# KiCad board Lime_RFE.kicad_pcb (continued)
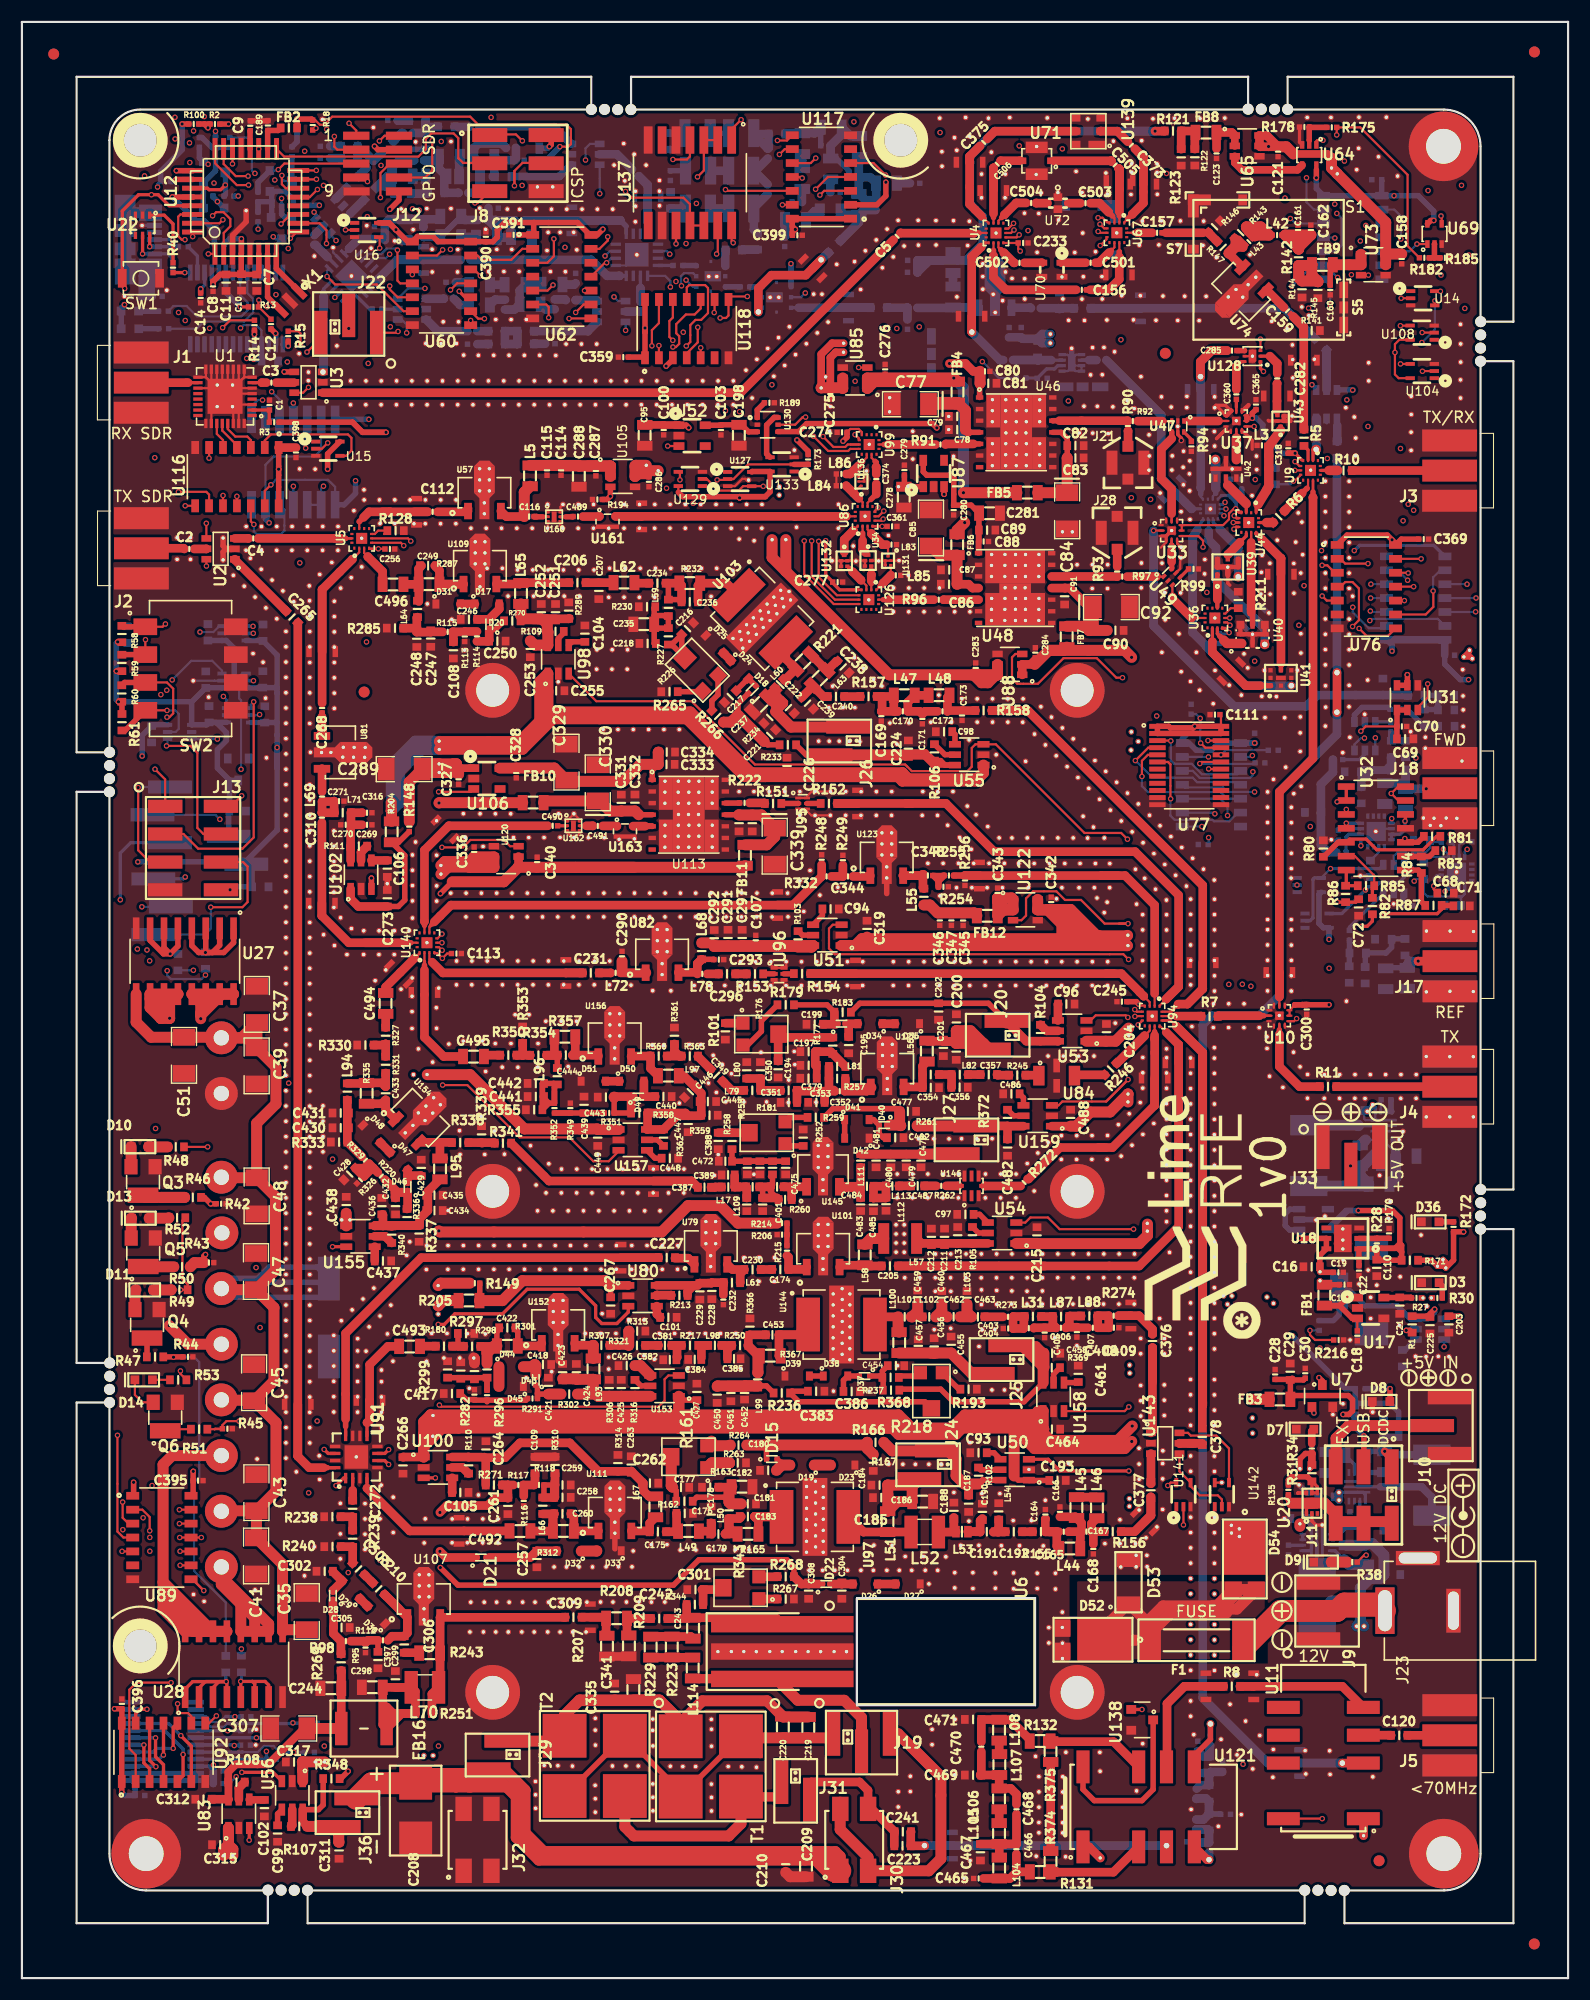
[diagram p0: board, top side]
## Routing (per net, layer and track width the routed paths; a pad name or vN(x,y) marks a point on that pad's centre or on a via; arc(x,y) is an arc through that point) (continued)
Net-(C302-Pad1): length 2.5
  T w0.79: C302.1 28.38,37.09 D29.2 28.4,35.38 D28.2
Net-(C303-Pad1): length 1.1
  T w0.79: R210.2 31.27,36.81 C303.1
Net-(C303-Pad2): length 2.6
  T w0.79: C303.2 30.18,37.87 R239.2 30.16,39.37 R240.2
Net-(C304-Pad1): length 2
  T w0.79: D22.2 73.88,35.96 74.82,35.96 D26.2
Net-(C305-Pad1): length 5.2
  T w0.79: R269.2 29.11,29.59 R98.2 28.42,31.44 C305.1 28.44,32.02 28.44,33.24 28.38,33.3 D28.1
Net-(C306-Pad1): length 1.4
  T w0.79: R243.1 36.22,29.69 C306.1
Net-(C306-Pad2): length 8.3
  T w0.79: 34.42,33.68 33.11,34.99 R210.1 33.1,34.99 U107.1 35.17,31.49 C306.2 33.77,31.19 R112.1
Net-(C308-Pad1): length 65.6
  T w0.5: v1(38.18,37.46) 39.78,35.86 59.46,35.86 61.78,38.18 69.81,38.18 70.45,37.53 R268.2 ; v1(29.77,18.87) 29.1,18.2 R348.1
  T w0.79: R268.2 71.13,35.96 71.79,35.96 71.8,35.97 D22.1
  SIG1 w0.5: v1(29.78,37) 29.77,36.99 v1(29.77,18.87)
  SIG2 w0.5: v1(29.78,37) 30.24,37.46 v1(38.18,37.46)
Net-(C309-Pad2): length 20.5
  T w0.79: C309.2 49.57,32.92 U107.3 38.16,32.91 R243.2 38.16,26.67 L70.2 37.41,25.92 R251.1
Net-(C311-Pad1): length 9.5
  T w0.5: R348.2 27.49,15.8 27.06,15.37 U56.6
  T w0.79: 26.05,13.83 R107.1 25.62,14.28 U56.6
  T w1: J36.2 28.91,12.42 C311.1 ; R107.1 27.89,13.84
Net-(C313-Pad2): length 2.4
  B w0.3: 120.04,142.33 120.04,141.33 120.03,141.31
  B w0.79: 120.04,141.64 120.04,140.25
  B w0.86: 120.04,140.25 120.04,140.25
Net-(C314-Pad1): length 1
  B w0.79: C314.1 29.12,167.17 L28.2
Net-(C320-Pad1): length 5
  B w0.79: 42.97,164.41 43.1,164.54 L73.2 43.42,165.89 C320.1 45.08,166.02 C321.2
Net-(C321-Pad1): length 8.7
  B w0.79: C321.1 43.78,167.42 41.67,167.42 41.2,166.95 L73.1 41.81,165.6 L74.2 41.81,162.92 C322.1 C323.2
Net-(C323-Pad1): length 6.4
  B w0.79: C323.1 39.84,162.92 C324.1 38.55,164.23 L76.2 38.05,165.12 38.05,166.2 37.72,165.87 C325.2
Net-(C325-Pad1): length 8.3
  B w0.79: L77.1 33.76,165.22 34.4,165.87 C325.1 ; L77.1 33.76,163.07 C326.1 33.31,163.51 32.45,163.51 33.37,164.43 L77.1
Net-(C330-Pad1): length 15.9
  T w0.5: C330.1 52.39,107.26 FB10.1 ; C332.1 56.28,106.16 U113.4
  T w1: 52.65,107.5 53.66,106.49 C331.1 54.72,106.51 C332.1 56.28,106.16 ; FB10.1 47.76,107.42 C330.1
Net-(C337-Pad1): length 8.8
  T w0.5: C337.1 65.42,106.16 U113.11
  T w1: 65.42,106.16 C337.1 C338.1 67.5,106.14 C339.1 68.7,104.14 67.97,103.41 66.01,103.41
Net-(C343-Pad1): length 7.7
  T w1: 89.05,98.57 89.05,98.26 89.82,97.48 U122.2 ; 89.05,98.57 90.31,98.57 U122.1 U122.2 ; 89.05,98.57 C343.1 89.05,98.57 FB12.2 89.58,97.48 U122.2
Net-(C344-Pad1): length 1.6
  T w0.79: U123.1 77.36,100.54 C344.1
Net-(C344-Pad2): length 2.1
  T w0.79: R249.1 74.92,100.55 C344.2 R332.1
Net-(C345-Pad1): length 7.5
  T w0.2: FB12.1 87.14,96.96 C345.1 ; C346.2 C347.2
  T w1: FB12.1 86.89,97.21 83.57,97.21 82.86,97.92 L55.1
Net-(C348-Pad1): length 3.5
  T w0.5: R254.1 83.64,100.1 C348.1 R255.2
  T w0.6: R255.2 83.64,100.11 R254.1
Net-(C348-Pad2): length 4.9
  T w0.79: 82.21,100.6 C348.2 ; 82.21,100.6 81.84,100.6 ; 82.21,100.6 C348.2 ; C348.2 82.22,99.51 L55.2 ; 81.82,100.61 80.4,100.61 82.18,100.61
  T w1: 82.21,100.6 C348.2 82.21,100.6
Net-(C349-Pad1): length 2.3
  T w0.79: C349.1 64.77,81.01 L79.2
Net-(C350-Pad2): length 4.5
  T w0.79: 69.21,81.01 C351.2 ; C351.2 69.25,80.98 ; C351.2 69.22,81.01 L79.1 67.4,82.09 C350.2 ; C350.2 L80.1 ; C350.2 67.4,81.81
Net-(C351-Pad1): length 8.2
  T w0.79: 74.08,81.04 C353.2 73.65,80.94 ; 73.65,80.94 70.8,80.94 C351.1 70.73,81 R181.2 ; 73.65,80.94 73.25,80.54 C352.1 ; 73.65,80.94 R257.2 L81.2
Net-(C353-Pad1): length 7.7
  T w0.79: U124.1 77.07,80.94 C353.1 75.15,81 R257.1 ; 75.18,81.25 77.46,81.25 77.47,81.27 ; 77.48,81.29 77.42,81.23 75.88,81.23
  T w1: 77.46,81.25 77.47,81.27
Net-(C354-Pad1): length 4.3
  T w0.79: U124.3 82.13,81.32 C354.1 82.19,81.27 C355.1 82.19,83.23 L56.2
Net-(C355-Pad2): length 2.3
  T w0.79: C356.1 84.84,81.31 L82.2 84.83,82.45 C355.2
Net-(C357-Pad2): length 1.1
  T w0.79: L82.1 86.34,82.45 C357.2
Net-(C358-Pad2): length 1.2
  B w0.5: U30.1 126.03,98.89 C358.2
Net-(C360-Pad1): length 3
  T w0.3: U128.6 111.28,147.51 110.82,147.06
  T w0.79: C360.1 110.82,147.06
Net-(C366-Pad1): length 1
  B w0.79: C366.1 29.11,166.08 L29.2
Net-(C367-Pad1): length 1.1
  B w0.79: L30.2 30.7,164.43 C367.1
Net-(C367-Pad2): length 3.9
  B w0.79: 30.63,166.6 31.34,166.6 C367.2 32.82,166.56 L27.1 ; 30.63,166.6 30.63,167.17 L28.1 ; 30.63,166.6 L29.1
Net-(C370-Pad1): length 1
  B w0.79: L116.1 42.57,149.11 C370.1
Net-(C371-Pad1): length 1
  B w0.79: L117.1 46.73,149.14 C371.1
Net-(C372-Pad2): length 1
  B w0.79: C372.2 L118.1
Net-(C373-Pad1): length 2.9
  T w0.79: C373.1 99.96,168.54 U139.2 98.46,168.55
Net-(C374-Pad1): length 2.4
  T w0.2: 77.47,134.93 77.17,134.63 U86.9
  T w0.5: 77.47,134.93 77.97,135.42
  T w0.79: C374.1 77.97,135.42
Net-(C374-Pad2): length 3.2
  T w0.2: C374.2 77.94,137.27 77.94,138.33 77.54,138.73 77.54,139
  T w0.5: 77.97,137.87 77.97,138.3 77.85,138.41
  T w0.79: 77.94,137.89 77.97,137.87 C374.2
Net-(C375-Pad2): length 8.4
  T w0.79: C375.2 88.79,168.54 U139.5
Net-(C376-Pad1): length 14.1
  T w0.1: U143.1 103.02,49.77
  T w0.2: 103.02,49.77 U143.1
  T w0.5: 103.02,49.77 U143.1 ; 103.17,57.54 103.17,54.42
  T w0.79: U143.1 103.17,49.9 103.17,57.54 103.18,57.52 103.18,54.41
Net-(C377-Pad2): length 2.8
  T w0.1: U143.3 103.02,47.85
  T w0.79: U143.3 103.03,45.12 103.02,45.11
Net-(C378-Pad1): length 5.9
  T w0.1: 107.48,48.81 107.49,48.82
  T w0.2: 107.48,48.81 U143.5
  T w0.79: 107.72,48.79 105.65,48.79 U143.5 107.02,48.81 106.5,48.81
Net-(C378-Pad2): length 79.8
  T w0.1: 104.1,87.39 104.49,87.39
  T w0.2: 104.1,87.39 104.49,87.39 104.1,87.39 ; 104.1,87.39 104.83,87.39 105.35,86.87 ; C378.2 107.76,50.49 107.72,50.46 C378.2 ; C378.2 107.72,52.56 107.76,52.59 107.76,52.28 107.72,52.24 107.76,52.24
  T w0.79: 107.76,52.38 107.76,52.59 107.76,52.24 107.76,84.46 105.35,86.87 107.72,84.49 107.72,50.52
Net-(C381-Pad1): length 2.5
  T w0.79: 59.32,57.74 59.79,57.74 59.79,56.66 59.8,56.65 ; C381.1 R217.2
Net-(C383-Pad2): length 15.2
  T w0.5: R218.2 82.4,52.59 70.9,52.59 R236.1 70.26,53.55 C383.2
Net-(C384-Pad1): length 1.7
  T w0.79: 62.01,56.61 62.01,57.7 62.05,57.74 62.56,57.74 62.56,57.74
Net-(C385-Pad1): length 2.3
  T w0.79: L98.1 R250.2 64.38,57.33 C385.1
Net-(C386-Pad1): length 2.7
  T w0.5: 75.3,54.88 D38.2 ; D38.2 74.97,54.55 C386.1 ; D38.2 D37.2
Net-(C387-Pad1): length 1
  T w0.79: C387.1 63.27,72.17 63.29,72.19 L17.2
Net-(C388-Pad2): length 3.2
  T w0.5: 66.3,77.24 R253.2
  T w0.79: R253.2 R258.1 C388.2
  T w1: 66.4,76.94 R253.2
Net-(C389-Pad2): length 3.1
  T w0.79: 65.04,73.22 65.04,72.22 L17.1 65.49,72.19 65.51,72.21 C400.2 66.15,72.14 L109.1
Net-(C393-Pad1): length 1.1
  B w0.2: C393.1 124.01,80.12 U90.9
Net-(C397-Pad1): length 3.7
  T w0.5: R112.2 32.49,30.81 C397.1
  T w0.79: R112.2 31.58,30.82 R95.1 31.2,30.75 R98.1
Net-(C400-Pad1): length 6.8
  T w0.5: 68.31,73.16 L110.2 68.5,72.39 C476.2 ; R260.2 68.31,71.77 C476.2 ; C400.1 67.6,71.89 C401.1 ; C476.2 68.31,72.02
  T w0.79: 68.33,72.23 C476.2 68.31,72.21 C400.1 ; R260.2 68.9,71.19 C401.1
Net-(C402-Pad1): length 2.8
  T w0.5: C402.1 78.6,76.69 78.22,77.07 D40.2 77.72,78.34 D41.2
Net-(C403-Pad1): length 4.2
  T w0.79: 91.4,59.28 C404.2 91.43,60.3 L31.2 90.47,60.37 R273.1 90.44,59.29 C403.1 91.4,59.28
Net-(C404-Pad1): length 4.3
  T w0.79: C404.1 92.37,59.35 C405.1 94.36,59.35 C406.2 94.08,59.63 L87.2 94.07,60.37 93.01,60.37 L31.1
Net-(C406-Pad1): length 4.3
  T w0.79: L88.2 95.63,60.42 L87.1 95.58,59.65 C406.1 95.32,59.39 C407.1 96.32,59.35 C408.2
Net-(C408-Pad1): length 4.2
  T w0.79: 98.19,60.45 R274.2 99.18,59.37 C409.1 99.2,59.35 C408.1 98.17,60.4 L88.1 98.19,60.45
Net-(C410-Pad1): length 6.1
  B w0.5: 107.17,12.48 107.21,12.44 107.21,13.68 107.17,13.72 C411.2 107.17,12.48
  B w0.79: 107.21,12.44 107.27,12.38 R275.1 108.34,13.45 L89.2 108.23,13.57 C411.2 107.21,13.53
Net-(C411-Pad1): length 4.9
  B w0.5: C412.1 109.36,14.97 L89.1
  B w0.79: 107.17,16.35 C413.2 108.05,16.39 L90.2 108.32,16.09 L89.1 107.82,14.47 C411.1
Net-(C413-Pad1): length 6.1
  B w0.5: 107.21,18.65 C415.2 ; C414.1 109.38,18.72 L91.2
  B w0.79: L91.2 108.34,18.67 L90.1 107.52,17.6 C413.1 ; L91.2 108.49,18.82 109.54,18.82 ; L91.2 107.27,18.72 C415.2 107.21,18.65
Net-(C415-Pad1): length 3.5
  B w0.5: C415.1 107.31,19.65 C416.1
  B w0.79: R276.2 108.38,21.15 L91.1 107.81,20.22 C416.1
Net-(C417-Pad1): length 6.5
  T w0.5: 42.45,52.59 R296.2 46,52.74 R291.1 ; C417.1 40.55,52.79 R282.2 ; 41.25,52.74 42.3,52.74
Net-(C418-Pad1): length 2.1
  T w1: D43.2 46.9,55.89 C418.1 46.6,55.79 D44.2
Net-(C419-Pad1): length 5.7
  T w0.5: R299.1 L92.1 R296.1 42.45,54.59
Net-(C421-Pad1): length 3.5
  T w0.5: 47.05,53.34 47.05,53.97 D43.1 ; 47.05,53.34 R291.2 ; 47.05,53.34 47.1,53.29 C421.1
  T w1: R302.2 C421.1
Net-(C422-Pad1): length 4.1
  T w0.5: 44.9,59.34 45.25,58.99 R301.1
  T w0.79: U152.1 47.19,57.69 R301.1
Net-(C422-Pad2): length 7.2
  T w0.5: 42.45,57.39 L92.2 ; 43.7,59.34 43.34,58.99 R301.2
  T w0.79: R301.2 43.3,57.64 R298.1
  T w1: R301.2 43.05,57.64 42.45,57.04 42.45,57.39 42.45,56.09
Net-(C423-Pad2): length 11.3
  T w1: 52.6,53.09 R306.2 C425.1 R316.1 U153.6 ; 52.6,53.09 52.15,53.54 L93.1 50.65,54.64 50.6,54.69 49.35,54.69 ; 52.6,53.09 52.4,53.29 R302.1
Net-(C426-Pad1): length 1.8
  T w1: U153.4 56.45,55.89 C426.1
Net-(C428-Pad1): length 4.8
  T w0.79: 32.07,73.92 R220.1 ; 32.07,73.92 31.97,73.92 R326.2 31.19,73.16 C428.1 31.24,73.9 R329.2 32.07,73.92
Net-(C429-Pad1): length 2.4
  T w0.79: D47.2 35.2,73.74 35.2,73.23 ; 35.2,73.23 36.39,73.23 C429.1 ; 35.2,73.23 D46.2
Net-(C430-Pad1): length 5.7
  T w0.79: R329.1 R333.1 L94.1
Net-(C432-Pad1): length 5.8
  T w0.79: R336.2 35.2,70.24 D46.1 ; D46.1 35.17,71.69 34.05,71.69 34.05,71.24 C432.1 ; D46.1 34.27,71.72 R220.2
Net-(C433-Pad1): length 4
  T w0.79: U154.1 33.2,79.31 33.2,80.14 32.84,79.79 R335.1
Net-(C433-Pad2): length 4.9
  T w0.79: L94.2 31.39,81.64 R335.2 32.84,81.69 33.2,81.34 R331.1
Net-(C434-Pad2): length 17.8
  T w0.79: 32.95,68.64 33.7,68.64 ; 32.95,68.64 U155.6 32.25,68.69 R337.2 ; 32.95,68.64 32.95,69.64 32.9,69.69 ; 33.85,68.69 R337.2 ; 33.85,68.69 R337.2 ; 33.85,68.69 R340.1 ; L95.1 37.05,71.79 37.05,70.04 36.3,69.29 36.3,68.69 35.05,68.69
Net-(C437-Pad1): length 1.3
  T w0.79: C437.1 U155.4
Net-(C439-Pad1): length 7.9
  T w0.5: R349.2 C439.1 R351.1 51,78.94 ; R349.2 48.85,78.94 ; R349.2 R352.2
Net-(C440-Pad1): length 2.5
  T w0.79: D50.2 56.76,80.48 D49.2 C440.1
Net-(C441-Pad1): length 12.7
  T w0.5: 48.1,79.84 47.5,80.44 ; 48.1,79.84 R355.1 ; 48.1,79.84 R352.1 ; 47.5,80.44 47.5,81.64 ; 47.5,80.44 R355.1 ; R355.1 47.5,81.64 ; L96.1 48.6,81.29 R352.1 ; 47.5,81.64 48.5,81.64 48.6,81.54 R352.1 ; R352.1 48.6,80.89
Net-(C443-Pad1): length 6.2
  T w0.5: C443.1 R351.2 R358.2
  T w0.79: C443.1 54.1,80.44 D49.1 55.6,80.27 55.6,79.09
Net-(C444-Pad1): length 4.2
  T w0.79: 52.53,84.17 U156.1 ; 52.59,84.22 50.24,84.22 50.5,84.48 R357.1
Net-(C444-Pad2): length 5.4
  T w0.5: 48.6,84.35 48.73,84.21 49.04,84.22 ; C444.2 48.86,84.2 L96.2
  T w0.7: 48.86,84.2 C444.2
  T w0.79: C444.2 48.88,84.21 R354.1 48.4,84.21 48.4,84.24 48.7,84.24 48.73,84.21 48.59,84.35 R357.2
Net-(C445-Pad2): length 15.5
  T w0.79: C447.1 61.95,78.69 R359.2 62,80.74 60.39,82.34 L97.1 ; C447.1 59.8,78.69 R362.1 U157.6 57.1,77.49 R358.1 60.55,78.94 C447.1
Net-(C448-Pad1): length 2.7
  T w0.2: 57.77,74.81 U157.4
  T w0.5: U157.4 57.77,74.81 C448.1
Net-(C450-Pad1): length 7.9
  T w0.5: 67.15,54.04 67.95,54.04 R236.2
  T w1: 64.7,53.99 C452.1 66,54.04 67.15,54.04 63.5,54.04 C450.1
Net-(C453-Pad1): length 7.6
  T w0.79: C453.1 69.09,56.8 69.07,56.79 ; C453.1 71.69,58.7 ; C453.1 70.8,58.7 U144.1
Net-(C453-Pad2): length 6.8
  T w0.79: R367.2 67.24,56.79 R250.1 66.29,58.55 R366.2 67.88,58.7 C453.2 ; 67.17,56.79 66.24,57.72
  T w1: 67.17,56.79 67.17,55.27 67.15,55.24
Net-(C454-Pad1): length 3.7
  T w0.5: C454.1 78.52,55.39 R237.2 ; D37.1 78.6,54.94 78.6,53.74
Net-(C455-Pad2): length 10.6
  T w0.79: C456.2 83.05,57.09 C457.2
  T w1: 83,57.09 82.94,57.04 L100.1 ; J25.1 86.67,55.17 C455.2 83.25,57.04
Net-(C458-Pad1): length 28.5
  T w0.5: U158.6 91.45,52.59 85,52.59 83.85,53.74 80.05,53.74
  T w0.79: J25.2 92.57,57.71 C458.1 ; R369.1 93.26,55.73
  T w1: 93.2,55.79 91.28,57.71 J25.2 91.7,57.71 93.23,56.18 R369.1 93.26,55.73 C458.1 ; 93.2,55.79 93.15,55.84 ; 93.2,55.79 U158.6
Net-(C459-Pad2): length 2.5
  T w0.79: L101.1 L102.2
  T w1: L101.1 81.24,60.34 81.75,60.84 C459.2
Net-(C460-Pad1): length 2.4
  T w0.79: C462.2 83.41,60.35 L102.1
  T w1: 84.42,60.34 C462.2 ; L102.1 83.95,60.89 C460.1
Net-(C461-Pad1): length 1.3
  T w0.5: C461.1 96.35,54.34 U158.4
Net-(C462-Pad1): length 3.3
  T w0.79: C462.1 C463.2
  T w1: C462.1 C463.2 86.25,60.74 L103.1
Net-(C465-Pad1): length 6.1
  T w0.79: 90.77,9.69 90.17,9.09 L104.2 89.19,9.09 C465.1 ; 90.77,9.69 R131.1 ; 90.77,9.69 90.75,9.71 C466.2
Net-(C466-Pad1): length 7.3
  T w0.79: L105.2 89.19,12.23 L104.1 ; L105.2 89.17,12.23 C467.1 ; L105.2 90.72,12.24 C466.1 90.76,12.22 C468.2
Net-(C468-Pad1): length 8
  T w0.79: C470.2 C469.1 87.46,18.52 87.45,18.53 L107.2 89.18,18.5 L106.1 90.24,17.31 90.76,16.78 C468.1
Net-(C470-Pad1): length 7.3
  T w0.79: R132.2 91.97,21.78 90.17,23.58 L108.1 89.16,23.59 87.62,23.59 ; C470.1 C471.1
Net-(C472-Pad1): length 8.6
  T w0.5: L110.1 C475.1 ; L110.1 C474.1 C473.1 C472.1 R258.2 ; L110.1 65.9,74.54
Net-(C476-Pad1): length 3.7
  T w0.5: 70.25,71.74 69.78,72.21 C476.1
  T w0.79: U145.1 71.6,72.21 C476.1 69.53,72.23 ; R260.1 70.25,71.74
Net-(C477-Pad1): length 9.7
  T w0.5: C477.1 79.85,79.34 74,79.34 R259.1
  T w1: C477.1 80.1,77.89 R261.1 80.15,77.84 D40.1
Net-(C478-Pad2): length 14.4
  T w0.79: L111.1 C478.2 C479.2 C480.2 C481.2 L111.1
  T w1: J27.1 85.37,75.19 C478.2
Net-(C482-Pad1): length 10.9
  T w0.79: R372.1 89.93,77.76 J27.2 ; R372.1 C482.1 ; R372.1 U159.6
  T w1: R261.2 81.73,77.76 J27.2
Net-(C483-Pad1): length 8.4
  T w0.1: C484.2 76.47,72.21 U145.3
  T w0.79: U145.3 74.65,72.26 C484.2 ; C484.2 76.55,72.29 L111.2 ; C484.2 76.53,72.24 C483.1 ; 76.37,72.12 74.64,72.12 74.6,72.08
Net-(C484-Pad1): length 4.4
  T w0.79: 78.81,72.26 L113.2 78.85,72.27 L112.2 78.81,71.19 C485.1 77.71,71.19 C484.1 78.81,72.26
Net-(C486-Pad1): length 1.2
  T w0.5: C486.1 91.4,80.34 U159.4
Net-(C487-Pad2): length 1.1
  T w0.79: L113.1 80.04,72.29 C487.2
Net-(C489-Pad1): length 1.5
  T w0.79: U161.1 52.68,133.37 C489.1
Net-(C489-Pad2): length 1.2
  T w0.3: 50.27,133.35 C489.2 ; 49.14,133.35 49.64,133.35
  T w0.5: C489.2 50.27,133.35 49.64,133.35
Net-(C490-Pad1): length 0.9
  T w0.3: C490.1 U162.2
Net-(C491-Pad1): length 1.3
  T w0.3: 54.28,105.14 U163.1
  T w0.79: U163.1 54.28,105.14 C491.1
Net-(C491-Pad2): length 1.2
  T w0.3: 52.09,105.15 C491.2 ; U162.5 51.51,105.15
  T w0.79: C491.2 52.09,105.15 51.51,105.15
Net-(C493-Pad2): length 1.4
  T w0.79: C493.2 36.35,57.67 R180.2
Net-(C494-Pad2): length 1.2
  T w0.79: C494.2 R327.2
Net-(C495-Pad2): length 1.5
  T w0.79: C495.2 42.28,84.22 R350.2
Net-(C498-Pad1): length 1.6
  B w0.79: C498.1 39.99,152.68 L36.1
Net-(C501-Pad1): length 4.3
  T w0.1: C501.1 97.07,156.54 U70.1
  T w0.79: C501.1 94.92,156.54 U70.1
Net-(C502-Pad2): length 1.6
  T w0.79: U70.2 93.05,156.53 C502.2
Net-(C503-Pad1): length 1.1
  T w0.79: U72.2 C503.1
Net-(C504-Pad2): length 3.1
  T w0.1: U72.4 93.57,161.99 C504.2
  T w0.5: 92.57,161.97 U72.4
  T w0.79: U72.4 92.57,161.97 C504.2
Net-(C505-Pad1): length 5.6
  T w0.1: 99.41,165.83 99.45,165.78
  T w0.5: 99.38,165.84 C505.1
  T w0.79: 99.41,165.83 99.45,165.78 ; 99.38,165.84 C505.1 99.38,165.84 ; 99.38,165.84 U71.1
Net-(C506-Pad2): length 1.8
  T w0.1: 89.32,165.83 89.31,165.82
  T w0.79: 89.33,165.84 C506.2 91.1,165.85 U71.2
Net-(C508-Pad2): length 11.9
  T w1: v1(121.25,74.12) 121.27,74.14 J33.2
  B w0.2: C508.2 124.01,75.52 U90.6
  B w1: R134.2 122.36,74.09 123.76,75.49 C508.2 ; R134.2 121.27,74.09 v1(121.25,74.12) ; R134.2 122.12,73.23 R12.2 122.73,72.28 L119.1
Net-(CON1-Pad2): length 3.7
  T w0.3: U22.6 v1(11.66,158)
  B w0.3: v1(11.66,158) 11.67,157.99 CON1.2 R39.2
Net-(CON1-Pad3): length 7.7
  T w0.3: U22.1 12.99,160.87 13.79,160.07 v1(13.79,158.64) R40.2
  B w0.3: CON1.3 v1(13.79,158.64)
Net-(D1-Pad2): length 1.8
  B w0.5: R16.2 D1.2
Net-(D2-Pad2): length 1.8
  B w0.5: D2.2 10.65,152.12 R17.2
Net-(D3-Pad1): length 1.5
  T w0.5: D3.1 129.61,63.18 R30.1
Net-(D7-Pad1): length 1.4
  T w0.7: R34.1 117.71,49.9 D7.1
Net-(D8-Pad1): length 3.4
  T w0.5: v1(124.85,53.79) 124.85,52.63 D8.1
  B w0.5: R35.1 v1(124.85,53.79)
Net-(D9-Pad1): length 1.5
  T w1: D9.1 R38.1
Net-(D10-Pad1): length 1.7
  T w1: D10.1 11.59,75.85 R48.1
Net-(D10-Pad2): length 1.8
  T w1: Q3.3 9.97,74.06 D10.2
Net-(D11-Pad1): length 1.6
  T w1: R49.1 13.61,62.8 D11.1
Net-(D11-Pad2): length 1.8
  T w1: D11.2 10.32,62.71 Q4.3
Net-(D13-Pad1): length 1.8
  T w1: R52.1 13.37,69.34 D13.1
Net-(D13-Pad2): length 1.8
  T w1: D13.2 9.97,69.31 Q5.3
Net-(D14-Pad1): length 1.6
  T w0.2: D14.1 R53.1
Net-(D14-Pad2): length 3.3
  T w0.2: D14.2 10.31,53.22 10.98,52.54 Q6.3
Net-(D17-Pad1): length 1.3
  T w0.79: D31.2 D17.1
Net-(D19-Pad1): length 1.5
  T w1: D19.1 D23.2
Net-(D24-Pad1): length 1.1
  T w0.79: D25.2 64.71,120.23 D24.1
Net-(D26-Pad1): length 1.7
  T w0.79: D27.2 79.74,35.96 D26.1
Net-(D29-Pad1): length 1.1
  T w0.79: D30.2 30.83,34.65 D29.1
Net-(D32-Pad1): length 1.4
  T w1: D33.2 52.44,38.97 D32.1
Net-(D34-Pad1): length 1.2
  T w0.79: D34.1 D35.2
Net-(D36-Pad1): length 1.3
  T w0.5: R172.2 130.64,69.01 D36.1
Net-(D38-Pad1): length 1.3
  T w0.5: D38.1 D39.2
Net-(D41-Pad1): length 1.7
  T w0.5: D42.2 D41.1
Net-(D44-Pad1): length 1.8
  T w1: D44.1 D45.2
Net-(D47-Pad1): length 1.3
  T w0.79: D47.1 D48.2
Net-(D50-Pad1): length 1.3
  T w0.79: D50.1 D51.2
Net-(F1-Pad2): length 23.6
  T w1: J9.2 124.36,33.5 J23.1 124.36,33.5 120.22,33.5
  T w2: 111.46,30.09 114.86,33.5 J9.2 120,33.5 120.68,34.18 123.73,34.18 J23.1
Net-(FB8-Pad1): length 4.6
  T w0.79: R123.2 R121.2 106.97,168.56 FB8.1 107.04,168.36 R122.2
Net-(FB9-Pad1): length 6.9
  T w1: R145.2 118.21,154.87 R144.2 116.51,155.18 R142.2 117.65,156.28 FB9.1 ; R145.2 117.72,155.35 ; R145.2 117.72,155.35 ; 117.66,156.29 FB9.1 ; FB9.1 117.72,155.35
Net-(IC1-Pad9): length 16.8
  SIG1 w0.2: v1(125,105.81) 125,105.32 125.31,105.02 126.46,105.02 127.05,104.42 v1(127.05,100.1)
  B w0.2: 130.89,98.7 128.26,98.7 127.93,99.04 R78.1 127.24,100.29 v1(127.05,100.1) ; 130.89,98.7 131.2,98.7 131.32,98.58 R79.2 131.32,98.6 131.66,98.94 ; 130.89,98.7 131.43,98.7 131.66,98.94 ; 131.66,98.94 IC2.9 ; v1(125,105.81) 124.98,105.79 IC1.9
Net-(IC1-Pad11): length 3.3
  T w0.3: v1(126.22,105.58) 126.26,105.62 U32.12
  B w0.3: v1(126.22,105.58) 126.22,104.8 125.8,104.39 IC1.11 IC1.12
Net-(IC2-Pad11): length 17.3
  T w0.2: v1(129.88,99.18) 129.88,99.18 129.89,99.2 ; v1(120.86,106.64) 120.86,106.64 U32.3
  SIG1 w0.2: v1(130.35,104.38) 130.36,104.37 130.36,99.65 v1(129.88,99.18)
  SIG2 w0.2: v1(120.86,106.64) 122.81,106.64 124.75,104.7 130.03,104.7 v1(130.35,104.38)
  B w0.2: v1(129.88,99.18) 129.88,99.23 IC2.12 IC2.11
Net-(J1-Pad1): length 5.2
  T w0.2: 15.17,145.59 15.17,145.59
  T w0.3: 15.04,145.59 U1.18
  T w0.79: 11.02,145.59 15.17,145.59
Net-(J3-Pad1): length 8.9
  T w0.79: J3.1 130.29,137.57 R10.1
Net-(J4-Pad1): length 10.4
  T w0.79: J4.1 130.29,81.35 R11.1
Net-(J6-Pad2): length 69.3
  T w0.2: v1(19.22,165.56) 19.22,165.56 U12.22
  SIG1 w0.2: v1(18.06,105.75) 18.52,106.2 18.52,115.68 19.06,116.22 19.06,127.2 18.74,127.52 18.74,128.73 19.69,129.67 19.69,134.31 19.06,134.93 19.06,136.32 19.9,137.16 19.9,148.3 19.22,148.98 v1(19.22,165.56)
  B w0.2: v1(18.06,105.75) 17.65,106.15 J6.2
Net-(J7-Pad2): length 81.8
  SIG1 w0.2: v1(11.19,164.46) 9.84,163.11 9.84,101.12 10.94,100.02 v1(10.94,97.76)
  SIG2 w0.2: v1(21.61,166.91) 21.32,166.63 13.97,166.63 11.8,164.46 v1(11.19,164.46)
  B w0.2: v1(10.94,97.76) 10.95,97.76 J7.2
Net-(J10-Pad2): length 11.8
  T w1: 119.93,46.66 119.93,49.26 121.08,50.42 J10.2
Net-(J11-Pad2): length 12.2
  T w0.3: 117.72,43.34 117.22,42.84 117.22,42.41
  T w0.5: 115.87,43.33 115.57,43.63 R135.2
  T w1: 125.01,41.66 119.93,41.66 119.93,42.29 118.88,43.34 117.72,43.34 ; U20.1 115.87,43.33
Net-(J17-Pad1): length 7.6
  T w0.79: 127.41,92.8 v1(127.42,92.8) 127.42,92.8 J17.1
  B w0.5: R67.2 126.41,93.13 R62.1 124.49,92.19 R64.1
  B w0.79: R62.1 126.41,92.51 126.7,92.8 v1(127.42,92.8)
Net-(J18-Pad1): length 7.9
  T w0.79: v1(128.15,108.53) 128.2,108.58 J18.1
  B w0.79: v1(128.15,108.53) 128.15,108.53 R63.1 ; R63.1 125.75,109.05 R66.1 ; R63.1 126.27,110.07 R69.2
Net-(J19-Pad2): length 30.6
  T w0.79: L114.1 69.34,27.34 U6.3 61.78,27.3
  T w1: J19.2 76.62,23.77 75.04,25.35 70.8,25.35 69.39,26.76 U6.3 72.06,27.3
Net-(J19-Pad3): length 32.8
  T w1: 74.67,16.05 74.67,13.56 77.21,11.02 77.21,10.4 77.21,10.86 ; J30.2 82.76,9.79 83.86,10.89 83.86,18.4 ; 83.86,18.4 80.53,21.73 ; 83.86,18.4 79.97,22.29 J19.3
Net-(J21-Pad1): length 1.4
  T w0.79: R90.1 100.94,141.18 100.94,139.75
Net-(J28-Pad1): length 1.6
  T w0.79: J28.1 99.95,130.38 R93.1
Net-(J31-Pad1): length 29.8
  T w0.5: T2.4 55.02,15.12
  T w0.79: 66.13,17.08 T1.4 ; T1.4 65.68,16.5 69.22,16.5 ; T1.4 69.25,16.57 69.34,16.66 J31.1 ; 55.11,17.2 55.2,17.2
  T w1: 69.16,16.57 69.22,16.5 ; T1.4 65.62,14.09 64.5,12.97 55.85,12.97 55.02,13.8 T2.4 55.02,14.89 ; 55.08,16.59 55.25,16.59 ; 66.21,17.21 66.37,17.05
Net-(L1-Pad2): length 11.9
  B w0.3: 127.73,44.83 128.67,43.89 L1.2 ; U19.2 123.97,44.83
  B w0.7: L1.2 128.67,43.89 127.73,44.83 123.97,44.83
Net-(L2-Pad2): length 2.4
  B w0.3: L2.2 118.18,37.42 U21.2
Net-(L3-Pad1): length 12.1
  T w0.3: 112.79,134.49 112.63,134.32 112.63,133.78
  T w0.4: 113.78,139.77 113.78,136.18 ; U43.1 114.86,141.24
  T w0.86: 114.86,141.24 113.78,139.77 113.78,136.18 113.56,135.75 112.79,134.49
Net-(L6-Pad2): length 1.2
  B w0.79: 85.01,154.35 85.02,154.34 ; L6.2 L7.1
Net-(L8-Pad2): length 1.6
  B w0.79: L8.2 72.35,161.25 L9.1
Net-(L15-Pad2): length 1.3
  B w0.79: L15.2 71.22,165.18 L16.1
Net-(L18-Pad2): length 2
  B w0.5: 64.76,168.36 L18.2 64.49,168.36 L19.1
Net-(L21-Pad2): length 1.6
  B w0.79: L22.1 L21.2
Net-(L24-Pad2): length 1.7
  B w0.79: L24.2 64.5,161.48 L25.1
Net-(L33-Pad2): length 1.3
  B w0.79: L34.1 42.73,154.53 L33.2
Net-(L38-Pad1): length 1.4
  B w0.79: L38.1 41.38,158.89 L39.2
Net-(L42-Pad2): length 10.3
  T w0.5: L42.2 112.56,159.06 L43.1 111.75,159.32 R143.2
  T w0.79: 111.75,159.74 112.5,158.99 113.73,158.99 113.79,159.06
  T w1: 112.56,159.06 112.5,158.99 111.75,159.74 R143.2 113.04,159.81 113.79,159.06 112.56,159.06
Net-(L43-Pad2): length 7.2
  T w0.5: L43.2 111.05,158.75 R143.1
  T w0.79: U74.3 110.15,157.38 R147.2 110.69,157.95 R143.1 110.69,158.68 111.44,157.93 110.67,157.93
  T w1: R147.2 110.67,157.93
Net-(L45-Pad1): length 1.9
  T w0.79: L46.2 98.06,43.89 L45.1
Net-(L51-Pad2): length 8.2
  T w0.79: 76.8,40.71 U97.2 76.8,40.71 ; 76.8,40.71 L51.2 81.14,40.71 L52.2
Net-(L57-Pad2): length 1.9
  T w1: L58.1 77.47,67.49 L57.2
Net-(L60-Pad2): length 4.3
  T w0.79: L60.2 R221.2 69.7,120.39 U103.2
Net-(L69-Pad2): length 2.1
  T w0.79: U81.3 27.39,110.35 L69.2
Net-(L74-Pad1): length 1.9
  B w0.79: L75.2 39.9,166.18 L74.1
Net-(L76-Pad1): length 1.2
  B w0.79: L77.2 L76.1
Net-(L83-Pad2): length 3.8
  T w0.2: 77.52,131.84 77.17,132.19 U86.3 ; L83.2 79.04,130.68 U131.1
  T w0.79: 77.52,131.84 77.52,131.81 78.53,130.81 L83.2
Net-(L84-Pad2): length 5.2
  T w0.2: 75.25,136.15 L84.2 ; 75.22,136.18 76.72,134.68 U86.10 ; 75.89,135.52 76.55,136.17 U136.1
  T w0.79: 76.37,135.03 75.22,136.18 L84.2
Net-(L85-Pad2): length 3.9
  T w0.2: L85.2 79.29,128.02 U131.4 ; 78.3,127.01 77.97,126.68 U126.1
  T w0.5: L85.2 78.3,127.01
  T w0.79: 78.58,127.29 78.58,127.29 79.3,128.01 L85.2
Net-(L86-Pad2): length 3.5
  T w0.2: 76.72,138.39 77.09,138.76 77.09,139 ; 75.92,137.59 76.36,137.14 U136.4
  T w0.5: 76.35,138.01 76.72,138.39
  T w0.79: 76.35,138.01 75.59,137.26 L86.2
Net-(L93-Pad2): length 3
  T w0.79: R307.2 50.62,57.75 U152.3
  T w1: R307.2 52.15,57.73 L93.2
Net-(L95-Pad2): length 4.5
  T w0.79: 38.47,74.82 38.5,74.79 ; 38.15,76.27 39.22,76.27 ; 38.15,76.27 L95.2 ; 38.15,76.27 U154.3
Net-(L97-Pad2): length 3.9
  T w0.79: 57.34,84.16 R360.2 ; R360.2 55.63,84.14 U156.3 ; R360.2 57.36,83.02 L97.2
Net-(L100-Pad2): length 4.4
  T w0.79: 78.32,58.7 77.79,58.7 ; U144.2 78.54,60.34 L101.2
  T w1: L100.2 79.96,59.03 L101.2
Net-(L105-Pad1): length 1.3
  T w0.79: L106.2 L105.1
Net-(L107-Pad1): length 1.2
  T w0.79: L107.1 89.18,20.47 L108.2
Net-(L114-Pad2): length 6.7
  T w0.79: R229.2 57.4,29.26 60.78,29.26 R223.2 59.33,29.25 L114.2
Net-(L115-Pad1): length 4.6
  B w0.79: 45.21,149.12 L117.2 45.21,149.13 L115.1 L118.2 44.07,150.28 L116.2 45.21,149.12
Net-(L119-Pad2): length 11.4
  B w0.3: L119.2 117.48,77.79 U90.2
  B w1: 121.97,77.79 121.93,77.83 L119.2
Net-(P1-Pad3): length 3
  B w0.5: R235.1 119.68,60 120.21,60.53 P1.3
Net-(P43-Pad2): length 81.3
  T w0.2: 114.75,95.47 114.75,88.75 ; U10.11 U10.11
  T w0.25: 117.82,136.63 117.82,135.61
  T w0.5: 117.82,111.31 117.82,135.61
  T w0.79: 117.82,135.11 117.81,135.11 117.82,135.11 117.82,111.31 114.75,108.24 114.75,89.55 114.75,91.76 P43.2
